# KiCad board Boston-keyboard-S.kicad_pcb (continued)
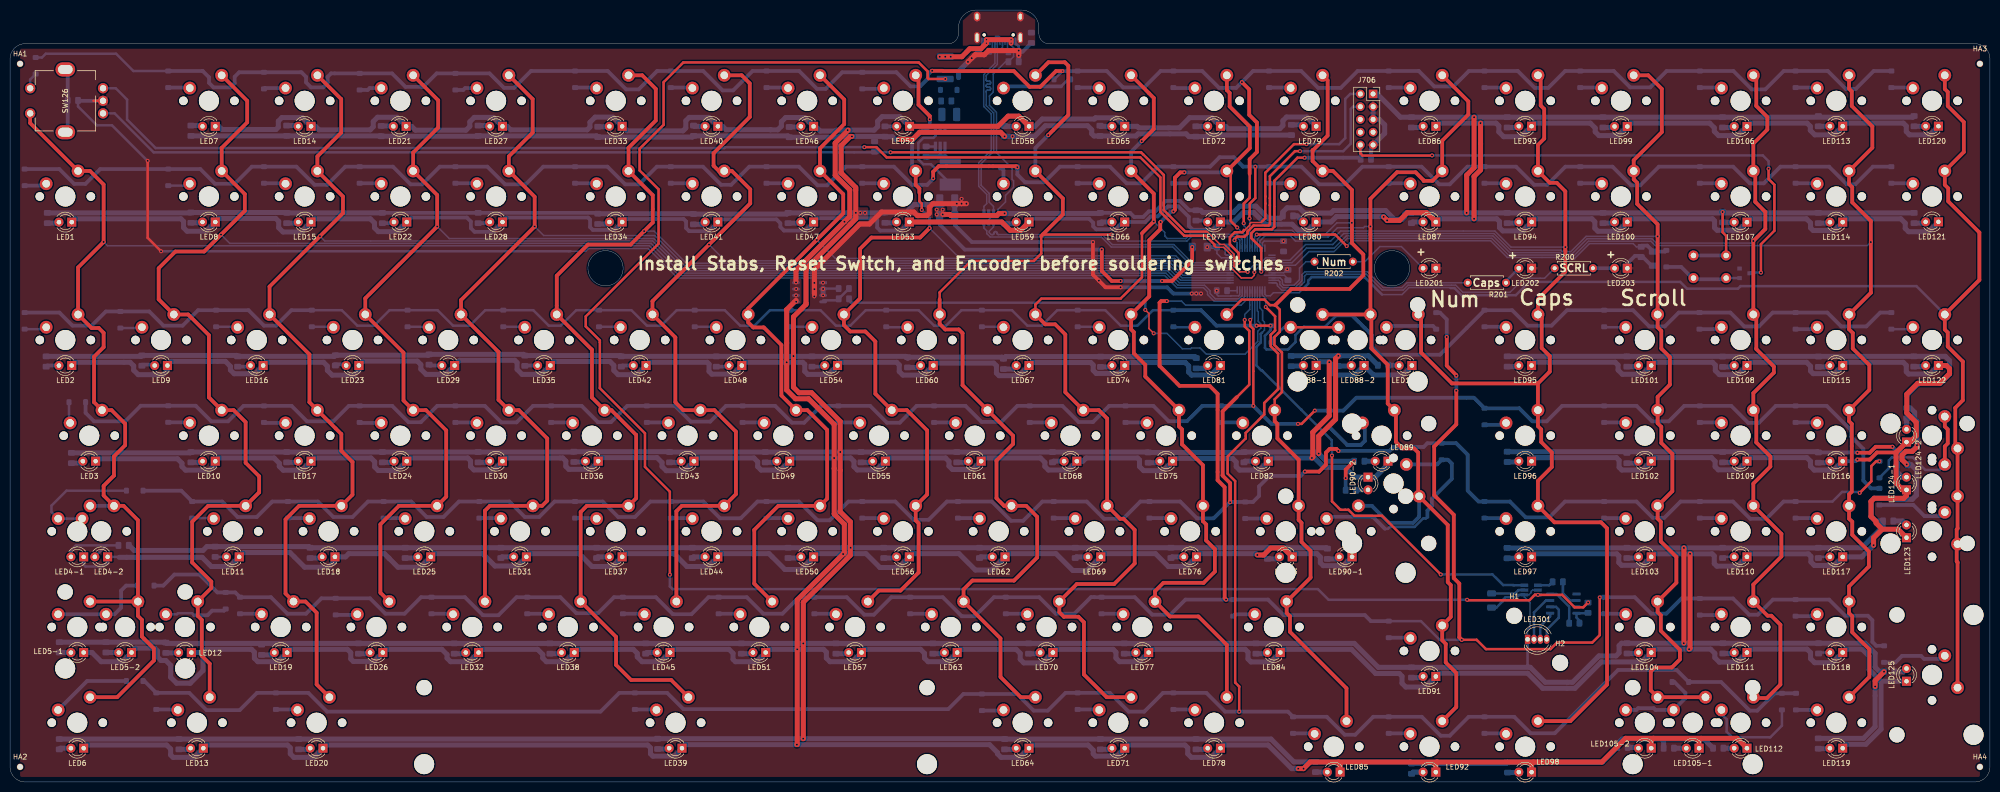
[diagram p0: board, top side]
## Routing (per net, layer and track width the routed paths; a pad name or vN(x,y) marks a point on that pad's centre or on a via; arc(x,y) is an arc through that point) (continued)
SCRL_INDICATOR: length 4.9
  Bottom w0.5: 318.88,102.7 LED203.2
  Bottom w0.75: R200.1 319.28,102.3 LED203.2
SWCLK: length 48.7
  Top w0.5: v1(256.7,125.6) 255.7,125.6 250.7,120.6 250.7,111.05 250.45,110.8 247.45,110.8 246.26,109.61 246.26,109.16 245.68,108.58 244.15,108.58 243.66,108.09 v1(243.66,107.86)
  Bottom w0.3: v1(243.66,107.86) 244.21,107.31 U701.37 244.21,107.09
  Bottom w0.5: v1(256.7,125.6) 265.3,125.6 266.8,127.1 266.8,134 267.26,134.46 J706.4
SWDIO: length 55.7
  Top w0.3: 245.52,109.98 245.52,109.92 245.74,109.92 246.68,110.86 246.68,111.14 246.93,111.39 248.94,111.39 249.15,111.6
  Top w0.5: 245.52,109.92 245.52,109.77 245.2,109.45 243.73,109.45 242.75,108.47 242.75,107.05 244.5,105.3 244.5,103.45 v1(244.46,103.41) ; v1(258,127) 255.5,127 249.8,121.3 249.8,112.25 249.15,111.6
  Bottom w0.3: U701.34 244.19,103.88 244.46,103.61 v1(244.46,103.41)
  Bottom w0.5: J706.2 266.7,137 265.7,136 265.7,128.2 264.5,127 v1(258,127)
Net-(C703-Pad1): length 1.9
  Bottom w0.5: C703.1 184.12,126.53 U702.6
Net-(C703-Pad2): length 7.4
  Bottom w0.5: 184.78,124.47 185.1,124.8 U702.5
  Bottom w1: C703.2 186.07,124.47 L701.1
Net-(C712-Pad1): length 4.6
  Bottom w0.5: C712.1 312.31,32.13 311.73,32.73 U1.8 313.94,33.59 R711.2
Net-(D1-Pad2): length 4.4
  Bottom w0.75: D1.2 6.81,118.73 SW1.2
Net-(D2-Pad2): length 4.4
  Bottom w0.5: D2.2 6.81,90.16 SW2.2
Net-(D3-Pad2): length 4.5
  Bottom w0.5: 11.95,75.4 D3.2 11.73,71.71 SW3.2
Net-(D4-Pad2): length 24
  Bottom w0.5: SW4-2.2 SW4-1.2 8.24,53.77 8.24,55.01 11.23,58 D4.2
Net-(D5-Pad2): length 20.1
  Bottom w0.75: D5.2 23.1,39.1 22.1,38.1 22.1,34.7 20.79,33.39 SW5-2.2 19.09,33.4 9.58,33.4 SW5-1.2
Net-(D6-Pad2): length 16
  Bottom w0.75: D6.2 15.33,20.1 SW6.2
Net-(D7-Pad2): length 4.3
  Bottom w0.75: SW7.2 35.67,138.26 D7.2
Net-(D8-Pad2): length 4.4
  Bottom w0.5: D8.2 35.39,118.73 SW8.2
Net-(D9-Pad2): length 4.4
  Bottom w0.5: SW9.2 26.08,90.38 D9.2
Net-(D10-Pad2): length 4.3
  Bottom w0.5: 35.64,71.61 SW10.2
  Bottom w0.75: D10.2 35.64,71.61
Net-(D11-Pad2): length 4.3
  Bottom w0.5: D11.2 40.43,52.54 SW11.2
Net-(D12-Pad2): length 12.7
  Bottom w0.5: SW12.2 33.19,33.39 33.4,33.6 36.2,33.6 36.6,33.2
  Bottom w0.75: D12.2 42.57,34.1 40.2,34.1 39.3,33.2 36.6,33.2
Net-(D13-Pad2): length 4.3
  Bottom w0.75: D13.2 33.29,14.44 SW13.2
Net-(D14-Pad2): length 4.4
  Bottom w0.75: SW14.2 50.69,138.16 D14.2
Net-(D15-Pad2): length 4.3
  Bottom w0.75: D15.2 54.72,119.21 SW15.2
Net-(D16-Pad2): length 4.3
  Bottom w0.5: SW16.2 45.19,90.64 D16.2
Net-(D17-Pad2): length 4.3
  Bottom w0.5: 50.62,71.49 D17.2
  Bottom w0.75: SW17.2 50.62,71.49
Net-(D18-Pad2): length 4.3
  Bottom w0.75: D18.2 59.48,52.54 SW18.2
Net-(D19-Pad2): length 4.3
  Bottom w0.75: SW19.2 49.96,33.49 D19.2
Net-(D20-Pad2): length 4.3
  Bottom w0.75: SW20.2 57.1,14.44 D20.2
Net-(D21-Pad2): length 4.4
  Bottom w0.75: SW21.2 71.56,138.16 71.19,137.78 69.58,137.78
Net-(D22-Pad2): length 4.3
  Bottom w0.75: SW22.2 73.77,119.21 D22.2
Net-(D23-Pad2): length 4.3
  Bottom w0.5: SW23.2 64.24,90.64 D23.2
Net-(D24-Pad2): length 4.3
  Bottom w0.5: 69.67,71.49 D24.2
  Bottom w0.75: SW24.2 69.67,71.49
Net-(D25-Pad2): length 4.3
  Bottom w0.75: D25.2 78.53,52.54 SW25.2
Net-(D26-Pad2): length 4.3
  Bottom w0.75: SW26.2 68.98,33.27 D26.2
Net-(D27-Pad2): length 4.4
  Bottom w0.75: 92.92,138.16 90.56,138.16 90.19,137.78 88.63,137.78
Net-(D28-Pad2): length 4.3
  Bottom w0.75: 92.92,119.11 92.82,119.21 D28.2
Net-(D29-Pad2): length 4.3
  Bottom w0.5: D29.2 83.29,90.64 SW29.2
Net-(D30-Pad2): length 4.3
  Bottom w0.75: D30.2 92.82,71.59 92.92,71.49
Net-(D31-Pad2): length 4.3
  Bottom w0.75: SW31.2 97.58,52.54 D31.2
Net-(D32-Pad2): length 4.3
  Bottom w0.75: D32.2 88.06,33.49 SW32.2
Net-(D33-Pad2): length 4.3
  Bottom w0.75: D33.2 116.63,138.26 SW33.2
Net-(D34-Pad2): length 4.3
  Bottom w0.75: SW34.2 116.63,119.21 D34.2
Net-(D35-Pad2): length 4.3
  Bottom w0.5: SW35.2 102.34,90.64 D35.2
Net-(D36-Pad2): length 4.3
  Bottom w0.75: D36.2 111.87,71.59 SW36.2
Net-(D37-Pad2): length 4.3
  Bottom w0.75: D37.2 116.63,52.54 SW37.2
Net-(D38-Pad2): length 4.3
  Bottom w0.75: SW38.2 107.11,33.49 D38.2
Net-(D39-Pad2): length 4.3
  Bottom w0.75: D39.2 128.54,14.44 SW39.2
Net-(D40-Pad2): length 4.3
  Bottom w0.75: SW40.2 135.68,138.26 D40.2
Net-(D41-Pad2): length 4.3
  Bottom w0.75: SW41.2 135.68,119.21 D41.2
Net-(D42-Pad2): length 4.3
  Bottom w0.5: SW42.2 121.39,90.64 D42.2
Net-(D43-Pad2): length 4.3
  Bottom w0.75: SW43.2 130.92,71.59 D43.2
Net-(D44-Pad2): length 4.3
  Bottom w0.75: D44.2 135.68,52.54 SW44.2
Net-(D45-Pad2): length 4.3
  Bottom w0.75: D45.2 126.16,33.49 SW45.2
Net-(D46-Pad2): length 4.3
  Bottom w0.75: D46.2 154.73,138.26 SW46.2
Net-(D47-Pad2): length 4.3
  Bottom w0.75: D47.2 154.73,119.21 SW47.2
Net-(D48-Pad2): length 4.3
  Bottom w0.5: SW48.2 140.44,90.64 D48.2
Net-(D49-Pad2): length 4.3
  Bottom w0.75: SW49.2 149.97,71.59 D49.2
Net-(D50-Pad2): length 4.3
  Bottom w0.75: D50.2 154.73,52.54 SW50.2
Net-(D51-Pad2): length 4.3
  Bottom w0.75: SW51.2 145.21,33.49 D51.2
Net-(D52-Pad2): length 4.4
  Bottom w0.75: D52.2 173.72,138.01 SW52.2
Net-(D53-Pad2): length 4.3
  Bottom w0.75: SW53.2 173.78,119.21 D53.2
Net-(D54-Pad2): length 4.3
  Bottom w0.5: D54.2 159.49,90.64 SW54.2
Net-(D55-Pad2): length 4.3
  Bottom w0.75: SW55.2 169.02,71.59 D55.2
Net-(D56-Pad2): length 4.3
  Bottom w0.75: D56.2 173.78,52.54 SW56.2
Net-(D57-Pad2): length 4.3
  Bottom w0.75: SW57.2 164.26,33.49 D57.2
Net-(D58-Pad2): length 14.1
  Bottom w0.5: 209.15,138.5 210.55,139.9 D58.2
  Bottom w0.75: SW58.2 198.03,138.5 209.15,138.5
Net-(D59-Pad2): length 3.8
  Bottom w0.75: SW59.2 197.69,121.86 D59.2 ; SW59.2 197.58,119.22 ; SW59.2 197.59,119.21
Net-(D60-Pad2): length 4.3
  Bottom w0.5: D60.2 174.45,90.54 SW60.2
Net-(D61-Pad2): length 4.3
  Bottom w0.75: D61.2 188.07,71.59 SW61.2
Net-(D62-Pad2): length 4.3
  Bottom w0.75: SW62.2 192.83,52.54 D62.2
Net-(D63-Pad2): length 4.3
  Bottom w0.75: D63.2 183.31,33.49 SW63.2
Net-(D64-Pad2): length 4.3
  Bottom w0.75: SW64.2 197.56,14.22 193.4,14.22
Net-(D65-Pad2): length 4.3
  Bottom w0.75: D65.2 216.64,138.26 SW65.2
Net-(D66-Pad2): length 4.3
  Bottom w0.75: D66.2 216.64,119.21 SW66.2
Net-(D67-Pad2): length 4.3
  Bottom w0.5: D67.2 197.59,90.64 SW67.2
Net-(D68-Pad2): length 4.3
  Bottom w0.75: D68.2 207.12,71.59 SW68.2
Net-(D69-Pad2): length 4.3
  Bottom w0.75: D69.2 211.88,52.54 SW69.2
Net-(D70-Pad2): length 4.3
  Bottom w0.75: SW70.2 202.36,33.49 D70.2
Net-(D71-Pad2): length 4.3
  Bottom w0.75: SW71.2 216.64,14.44 D71.2
Net-(D72-Pad2): length 4.3
  Bottom w0.75: D72.2 231.6,138.16 SW72.2
Net-(D73-Pad2): length 4.3
  Bottom w0.75: SW73.2 235.69,119.21 D73.2
Net-(D74-Pad2): length 4.3
  Bottom w0.5: D74.2 216.64,90.64 SW74.2
Net-(D75-Pad2): length 4.3
  Bottom w0.75: D75.2 226.17,71.59 SW75.2
Net-(D76-Pad2): length 4.3
  Bottom w0.75: D76.2 230.93,52.54 SW76.2
Net-(D77-Pad2): length 4.3
  Bottom w0.75: SW77.2 221.41,33.49 D77.2
Net-(D78-Pad2): length 4.3
  Bottom w0.75: SW78.2 235.69,14.44 D78.2
Net-(D79-Pad2): length 4.3
  Bottom w0.75: SW79.2 254.74,138.26 D79.2
Net-(D80-Pad2): length 4.3
  Bottom w0.75: SW80.2 254.74,119.21 D80.2
Net-(D81-Pad2): length 4.3
  Bottom w0.5: D81.2 231.6,90.54 SW81.2
Net-(D82-Pad2): length 4.3
  Bottom w0.75: D82.2 245.22,71.59 SW82.2
Net-(D83-Pad2): length 4.3
  Bottom w0.75: SW83.2 250.07,52.45 D83.2
Net-(D84-Pad2): length 4.4
  Bottom w0.75: SW84.2 243.79,33.39 D84.2
Net-(D85-Pad2): length 4.3
  Bottom w0.75: D85.2 259.51,9.67 SW85.2
Net-(D86-Pad2): length 4.3
  Bottom w0.75: SW86.2 278.56,138.26 D86.2
Net-(D87-Pad2): length 4.3
  Bottom w0.75: D87.2 278.56,119.21 SW87.2
Net-(D88-Pad2): length 14.9
  Top w0.5: SW88-1.2 SW88-2.2
  Bottom w0.5: D88.2 251.02,88.06 253.5,90.54 SW88-1.2
Net-(D89-Pad2): length 12.5
  Bottom w0.75: 269.61,71.49 269.61,67.91 268.8,67.1 266.1,67.1 262.57,70.63 D89.2
Net-(D90-Pad2): length 44.6
  Bottom w0.5: 273.6,50.4 274.2,50.4 274.59,50.79 279.53,50.79 281.2,52.46 281.76,52.46 282.06,52.76
  Bottom w0.75: 273.6,50.4 271.2,52.8 262.34,52.8 SW90-1.2 ; SW90-2.2 283.99,63.23 D90.2 286.15,64.15 286.9,63.4 286.9,60.34 282.94,56.38 282.94,54.93 282.06,54.05 282.06,52.76
Net-(D91-Pad2): length 4.3
  Bottom w0.75: D91.2 278.56,28.72 SW91.2
Net-(D92-Pad2): length 4.3
  Bottom w0.75: SW92.2 278.56,9.67 D92.2
Net-(D93-Pad2): length 4.3
  Bottom w0.75: D93.2 297.61,138.26 SW93.2
Net-(D94-Pad2): length 4.3
  Bottom w0.75: D94.2 297.61,119.21 SW94.2
Net-(D95-Pad2): length 4.3
  Bottom w0.75: D95.2 297.61,90.64 SW95.2
Net-(D96-Pad2): length 4.4
  Bottom w0.75: D96.2 297.32,71.11 SW96.2
Net-(D97-Pad2): length 4.3
  Bottom w0.75: D97.2 297.61,52.54 SW97.2
Net-(D98-Pad2): length 4.3
  Bottom w0.75: SW98.2 297.61,9.67 D98.2
Net-(D99-Pad2): length 4.3
  Bottom w0.75: SW99.2 316.66,138.26 D99.2
Net-(D100-Pad2): length 4.3
  Bottom w0.75: SW100.2 316.66,119.21 D100.2
Net-(D101-Pad2): length 4.3
  Bottom w0.5: D101.2 317.32,90.54 SW101.2
Net-(D102-Pad2): length 4.3
  Bottom w0.75: D102.2 321.42,71.59 SW102.2
Net-(D103-Pad2): length 4.3
  Bottom w0.75: D103.2 321.42,52.54 SW103.2
Net-(D104-Pad2): length 4.3
  Bottom w0.75: SW104.2 321.42,33.49 D104.2
Net-(D105-Pad2): length 18.1
  Bottom w0.75: 330.75,14.63 SW105-1.2 ; SW105-1.2 327.46,14.34 327.1,14.7 324,14.7 323.65,14.35 321.52,14.35 SW105-2.2 ; SW105-1.2 333.4,16.7 333.4,17.7 331.2,19.9 D105.2
Net-(D106-Pad2): length 4.3
  Bottom w0.75: D106.2 340.47,138.26 SW106.2
Net-(D107-Pad2): length 4.3
  Bottom w0.75: SW107.2 340.47,119.21 D107.2
Net-(D108-Pad2): length 4.5
  Bottom w0.75: D108.2 340.19,90.16 SW108.2
Net-(D109-Pad2): length 4.3
  Bottom w0.75: D109.2 340.47,71.59 SW109.2
Net-(D110-Pad2): length 4.3
  Bottom w0.75: D110.2 340.47,52.54 SW110.2
Net-(D111-Pad2): length 4.4
  Bottom w0.75: D111.2 340.41,33.23 SW111.2
Net-(D112-Pad2): length 20.3
  Bottom w0.3: SW112.2 340.56,13.53
  Bottom w0.5: D112.2 352.6,11.2 350.3,8.9 342.7,8.9 341.6,10 341.6,12.5 340.56,13.53
Net-(D113-Pad2): length 4.3
  Bottom w0.75: SW113.2 359.52,138.26 D113.2
Net-(D114-Pad2): length 4.3
  Bottom w0.75: D114.2 359.52,119.21 SW114.2
Net-(D115-Pad2): length 4.4
  Bottom w0.75: SW115.2 359.24,90.16 D115.2
Net-(D116-Pad2): length 4.3
  Bottom w0.75: D116.2 359.52,71.59 SW116.2
Net-(D117-Pad2): length 4.3
  Bottom w0.75: D117.2 359.52,52.54 SW117.2
Net-(D118-Pad2): length 4.4
  Bottom w0.75: D118.2 359.24,33.01 SW118.2
Net-(D119-Pad2): length 4.2
  Bottom w0.75: D119.2 359.61,14.35 SW119.2
Net-(D120-Pad2): length 4.3
  Bottom w0.75: SW120.2 378.57,138.26 D120.2
Net-(D121-Pad2): length 4.3
  Bottom w0.75: D121.2 378.57,119.21 SW121.2
Net-(D122-Pad2): length 4.4
  Bottom w0.5: D122.2 378.29,90.16 SW122.2
Net-(D123-Pad2): length 14.3
  Bottom w0.75: D123.2 378.75,55.15 380.96,52.94 384.24,52.94 SW123.2
Net-(D124-Pad2): length 27.1
  Top w0.75: SW124-2.2 385.01,70.78 385.6,70.2 385.6,67.4 385.01,66.81 SW124-1.2
  Bottom w0.5: D124.2 372,60.57 373.88,62.45 373.88,64.01 374.5,64.63 378.63,64.63 381.13,62.13 383.91,62.13 SW124-1.2
Net-(D125-Pad2): length 13.1
  Bottom w0.75: D125.2 375.21,23.81 376.5,25.1 380.3,25.1 380.9,24.5 384.38,24.5 SW125.2
Net-(D126-Pad2): length 3.3
  Bottom w0.5: SW126.S2 4,139.85 D126.2
Net-(D127-Pad2): length 10.3
  Bottom w0.75: D127.2 283.15,90.8 274.15,90.8 SW127.2
Net-(D703-Pad2): length 15.6
  Bottom w0.5: SW200.2 344.17,100.33 344.18,100.33
  Bottom w0.75: 341.5,100.1 335,100.1 332.55,102.55 D703.2
Net-(J705-PadA5): length 2.7
  Bottom w0.3: J705.A5 195.49,146.14 R704.2
Net-(J705-PadB5): length 2.7
  Bottom w0.3: J705.B5 198.49,145.61 198.28,145.4
Net-(L1-Pad1): length 12.9
  Bottom w0.75: SW126.S 11.47,141.4 L1.1 11.47,129.85 SW126.S
Net-(LED1-Pad2): length 2.4
  Bottom w1: LED1.2 9.52,111.26 R1.2
Net-(LED2-Pad2): length 2.6
  Bottom w0.75: R2.2 7.42,82.92 LED2.2
Net-(LED3-Pad2): length 2.4
  Bottom w1: LED3.2 14.1,63.48 R3.2
Net-(LED4-1-Pad2): length 14.4
  Bottom w0.5: 19.15,47.1 13.1,47.1 12.11,46.11 LED4-1.2 ; 19.15,47.1 R4.2 ; 19.15,47.1 LED4-2.2
Net-(LED5-1-Pad2): length 2.3
  Bottom w1: LED5-1.2 12.1,25.78 R5-1.2
Net-(LED5-2-Pad2): length 2.5
  Bottom w1: LED5-2.2 21.63,25.78 R5-2.2
Net-(LED6-Pad2): length 2.4
  Bottom w1: LED6.2 10.04,6.72 R6.2
Net-(LED7-Pad2): length 2.4
  Bottom w1: R7.2 38.15,130.7 LED7.2
Net-(LED8-Pad2): length 2.4
  Bottom w1: LED8.2 38.15,111.34 R8.2
Net-(LED9-Pad2): length 2.6
  Bottom w0.75: 26.24,83.09 28.61,83.09 LED9.2
Net-(LED10-Pad2): length 2.4
  Bottom w1: LED10.2 38.07,63.64 R10.2
Net-(LED11-Pad2): length 2.3
  Bottom w0.5: R11.2 40.83,44.82 LED11.2
Net-(LED12-Pad2): length 2.6
  Bottom w1: LED12.2 33.47,25.7 R12.2
Net-(LED13-Pad2): length 2.4
  Bottom w1: R13.2 35.69,6.49 LED13.2
Net-(LED14-Pad2): length 2.4
  Bottom w1: LED14.2 57.2,130.7 R14.2
Net-(LED15-Pad2): length 2.4
  Bottom w1: R15.2 57.12,111.26 LED15.2
Net-(LED16-Pad2): length 2.6
  Bottom w0.75: LED16.2 47.6,82.69 R16.2
Net-(LED17-Pad2): length 2.4
  Bottom w1: R17.2 57.12,63.64 LED17.2
Net-(LED18-Pad2): length 2.5
  Bottom w1: LED18.2 61.89,44.59 R18.2
Net-(LED19-Pad2): length 2.7
  Bottom w1: LED19.2 52.12,25.3 R19.2
Net-(LED20-Pad2): length 2.4
  Bottom w1: R20.2 59.51,6.49 LED20.2
Net-(LED21-Pad2): length 2.4
  Bottom w1: LED21.2 76.2,130.62 R21.2
Net-(LED22-Pad2): length 2.4
  Bottom w0.75: R22.2 76.17,111.26 LED22.2
Net-(LED23-Pad2): length 2.5
  Bottom w0.75: LED23.2 66.63,83.17 64.5,83.17
Net-(LED24-Pad2): length 2.4
  Bottom w1: LED24.2 76.17,63.64 R24.2
Net-(LED25-Pad2): length 2.6
  Bottom w1: R25.2 80.94,44.59 LED25.2
Net-(LED26-Pad2): length 2.4
  Bottom w1: LED26.2 71.41,25.54 R26.2
Net-(LED27-Pad2): length 2.4
  Bottom w1: R27.2 95.3,130.7 LED27.2
Net-(LED28-Pad2): length 2.4
  Bottom w0.75: R28.2 95.22,111.26 LED28.2
Net-(LED29-Pad2): length 2.6
  Bottom w0.75: LED29.2 83.56,82.92 R29.2
Net-(LED30-Pad2): length 2.4
  Bottom w1: R30.2 95.22,63.64 LED30.2
Net-(LED31-Pad2): length 2.6
  Bottom w1: LED31.2 97.91,44.82 R31.2
Net-(LED32-Pad2): length 2.4
  Bottom w1: LED32.2 90.46,25.54 R32.2
Net-(LED33-Pad2): length 2.3
  Bottom w1: LED33.2 119.18,130.46 R33.2
Net-(LED34-Pad2): length 2.5
  Bottom w1: LED34.2 118.87,111.1 R34.2
Net-(LED35-Pad2): length 2.6
  Bottom w0.75: R35.2 102.51,82.92 LED35.2
Net-(LED36-Pad2): length 2.4
  Bottom w1: LED36.2 114.35,63.71 R36.2
Net-(LED37-Pad2): length 2.6
  Bottom w1: R37.2 116.96,44.82 LED37.2
Net-(LED38-Pad2): length 2.4
  Bottom w1: R38.2 109.51,25.54 LED38.2
Net-(LED39-Pad2): length 2.4
  Bottom w1: LED39.2 131.01,6.56 R39.2
Net-(LED40-Pad2): length 2.4
  Bottom w1: R40.2 136.17,130.55 LED40.2
Net-(LED41-Pad2): length 2.5
  Bottom w1: LED41.2 137.85,111.03 R41.2
Net-(LED42-Pad2): length 2.5
  Bottom w0.75: LED42.2 121.88,82.92 R42.2
Net-(LED43-Pad2): length 2.4
  Bottom w1: 133.56,63.87 133.32,63.64 R43.2
Net-(LED44-Pad2): length 2.6
  Bottom w1: R44.2 136.01,44.82 LED44.2
Net-(LED45-Pad2): length 2.4
  Bottom w1: LED45.2 126.72,25.77 R45.2
Net-(LED46-Pad2): length 2.4
  Bottom w1: LED46.2 157.24,130.42 R46.2
Net-(LED47-Pad2): length 2.6
  Bottom w1: R47.2 157.14,111.26 LED47.2
Net-(LED48-Pad2): length 2.6
  Bottom w0.75: R48.2 142.85,82.69 LED48.2
Net-(LED49-Pad2): length 2.4
  Bottom w1: 152.6,63.87 152.37,63.64 R49.2
Net-(LED50-Pad2): length 2.6
  Bottom w1: LED50.2 157.14,44.59 R50.2
Net-(LED51-Pad2): length 2.4
  Bottom w1: R51.2 147.61,25.54 LED51.2
Net-(LED52-Pad2): length 2.3
  Bottom w0.75: R52.2 176.45,130.53 LED52.2
Net-(LED53-Pad2): length 2.4
  Bottom w1: R53.2 176.26,111.34 LED53.2
Net-(LED54-Pad2): length 2.6
  Bottom w0.75: R54.2 161.9,82.69 LED54.2
Net-(LED55-Pad2): length 2.4
  Bottom w1: R55.2 171.42,63.64 LED55.2
Net-(LED56-Pad2): length 2.6
  Bottom w1: R56.2 176.19,44.59 LED56.2
Net-(LED57-Pad2): length 2.6
  Bottom w1: R57.2 166.66,25.54 LED57.2
Net-(LED58-Pad2): length 2.3
  Bottom w1: R58.2 197.98,130.55 LED58.2
Net-(LED59-Pad2): length 2.5
  Bottom w1: R59.2 199.89,111.16 LED59.2
Net-(LED60-Pad2): length 2.7
  Bottom w1: R60.2 180.79,82.53 LED60.2
Net-(LED61-Pad2): length 2.4
  Bottom w1: R61.2 190.47,63.64 LED61.2
Net-(LED62-Pad2): length 2.6
  Bottom w1: LED62.2 193.16,44.82 R62.2
Net-(LED63-Pad2): length 2.4
  Bottom w1: R63.2 185.71,25.54 LED63.2
Net-(LED64-Pad2): length 2.4
  Bottom w1: R64.2 200,6.49 LED64.2
Net-(LED65-Pad2): length 2.4
  Bottom w1: R65.2 217.03,130.55 LED65.2
Net-(LED66-Pad2): length 2.4
  Bottom w1: R66.2 217.21,111.5 LED66.2
Net-(LED67-Pad2): length 2.8
  Bottom w1: R67.2 199.52,82.21 LED67.2
Net-(LED68-Pad2): length 2.4
  Bottom w1: R68.2 207.68,63.87 LED68.2
Net-(LED69-Pad2): length 2.6
  Bottom w1: LED69.2 212.21,44.82 R69.2
Net-(LED70-Pad2): length 2.4
  Bottom w1: R70.2 204.76,25.54 LED70.2
Net-(LED71-Pad2): length 2.4
  Bottom w1: R71.2 219.05,6.49 LED71.2
Net-(LED72-Pad2): length 2.4
  Bottom w1: LED72.2 238.32,130.55 R72.2
Net-(LED73-Pad2): length 2.4
  Bottom w0.75: LED73.2 238.05,111.78 R73.2
Net-(LED74-Pad2): length 2.4
  Bottom w1: R74.2 219,82.64 LED74.2
Net-(LED75-Pad2): length 2.4
  Bottom w1: LED75.2 228.5,63.57 R75.2
Net-(LED76-Pad2): length 2.6
  Bottom w1: R76.2 231.26,44.82 LED76.2
Net-(LED77-Pad2): length 2.4
  Bottom w1: LED77.2 223.81,25.54 R77.2
Net-(LED78-Pad2): length 2.4
  Bottom w1: R78.2 238.1,6.49 LED78.2
Net-(LED79-Pad2): length 2.5
  Bottom w1: LED79.2 257.07,130.85 R79.2
Net-(LED80-Pad2): length 2.7
  Bottom w0.75: 257.25,111.38 LED80.2
  Bottom w1: 255.32,112.72 256.15,112.72 LED80.2
Net-(LED81-Pad2): length 2.5
  Bottom w1: LED81.2 237.76,82.36 R81.2
Net-(LED82-Pad2): length 2.4
  Bottom w1: R82.2 245.78,63.87 LED82.2
Net-(LED83-Pad2): length 2.5
  Bottom w1: 250.24,44.42 252.22,44.42 LED83.2
Net-(LED84-Pad2): length 2.4
  Bottom w1: LED84.2 250,25.54 R84.2
Net-(LED85-Pad2): length 2.4
  Bottom w1: LED85.2 262.14,1.96 R85.2
Net-(LED86-Pad2): length 2.4
  Bottom w1: LED86.2 280.97,130.31 R86.2
Net-(LED87-Pad2): length 2.4
  Bottom w1: LED87.2 279.13,111.5 R87.2
Net-(LED88-1-Pad2): length 2.3
  Bottom w1: LED88-1.2 257.24,82.8 255.15,82.8
Net-(LED88-2-Pad2): length 2.6
  Bottom w1: LED88-2.2 266.78,82.8 R88-2.2
Net-(LED89-Pad2): length 2.2
  Bottom w1: R89.2 LED89.2
Net-(LED90-1-Pad2): length 2.6
  Bottom w1: LED90-1.2 264.11,44.41 R90-1.2
Net-(LED90-2-Pad2): length 2.4
  Bottom w0.75: R90-2.2 270.16,58.08 LED90-2.2
Net-(LED91-Pad2): length 2.4
  Bottom w1: 278.9,20.78 280.96,20.78 LED91.2
Net-(LED92-Pad2): length 2.4
  Bottom w1: LED92.2 279.23,1.96 R92.2
Net-(LED93-Pad2): length 2.4
  Bottom w1: LED93.2 299.99,130.31 R93.2
Net-(LED94-Pad2): length 2.4
  Bottom w1: R94.2 300.02,111.26 LED94.2
Net-(LED95-Pad2): length 2.4
  Bottom w1: R95.2 300.02,82.7 LED95.2
Net-(LED96-Pad2): length 2.4
  Bottom w1: LED96.2 300.08,63.71 R96.2
Net-(LED97-Pad2): length 2.4
  Bottom w1: R97.2 299.97,44.55 LED97.2
Net-(LED98-Pad2): length 2.3
  Bottom w1: LED98.2 300.16,1.88 R98.2
Net-(LED99-Pad2): length 2.4
  Bottom w1: R99.2 319.09,130.31 LED99.2
Net-(LED100-Pad2): length 2.4
  Bottom w1: R100.2 319.06,111.26 LED100.2
Net-(LED101-Pad2): length 2.4
  Bottom w1: LED101.2 323.82,82.69 R101.2
Net-(LED102-Pad2): length 2.5
  Bottom w1: LED102.2 323.66,63.47 R102.2
Net-(LED103-Pad2): length 2.4
  Bottom w1: R103.2 323.82,44.59 LED103.2
Net-(LED104-Pad2): length 2.3
  Bottom w1: R104.2 323.86,25.58 LED104.2
Net-(LED105-1-Pad2): length 2.5
  Bottom w1: LED105-1.2 R105-1.2
Net-(LED105-2-Pad2): length 2.2
  Bottom w1: LED105-2.2 323.9,6.88 R105-2.2
Net-(LED106-Pad2): length 2.4
  Bottom w1: R106.2 342.9,130.31 LED106.2
Net-(LED107-Pad2): length 2.3
  Bottom w1: R107.2 343.06,111.43 LED107.2
Net-(LED108-Pad2): length 2.4
  Bottom w1: LED108.2 342.83,82.65 R108.2
Net-(LED109-Pad2): length 2.4
  Bottom w1: LED109.2 342.87,63.64 R109.2
Net-(LED110-Pad2): length 2.2
  Bottom w0.5: 340.95,44.82 LED110.2
Net-(LED111-Pad2): length 2.3
  Bottom w1: R111.2 342.91,25.58 LED111.2
Net-(LED112-Pad2): length 2.2
  Bottom w1: R112.2 LED112.2
Net-(LED113-Pad2): length 2.3
  Bottom w1: R113.2 362.14,130.55 LED113.2
Net-(LED114-Pad2): length 2.4
  Bottom w1: R114.2 361.95,111.26 LED114.2
Net-(LED115-Pad2): length 2.4
  Bottom w1: LED115.2 361.88,82.65 R115.2
Net-(LED116-Pad2): length 2.4
  Bottom w1: LED116.2 361.85,63.57 R116.2
Net-(LED117-Pad2): length 2.1
  Bottom w0.5: LED117.2 360,44.82
Net-(LED118-Pad2): length 2.3
  Bottom w0.5: 359.85,25.77 LED118.2
Net-(LED119-Pad2): length 2.3
  Bottom w1: R119.2 362.06,6.62 LED119.2
Net-(LED120-Pad2): length 2.3
  Bottom w1: LED120.2 381.19,130.55 R120.2
Net-(LED121-Pad2): length 2.4
  Bottom w1: LED121.2 380.95,111.26 R121.2
Net-(LED122-Pad2): length 2.4
  Bottom w1: R122.2 380.99,82.7 LED122.2
Net-(LED123-Pad2): length 3
  Bottom w1: LED123.2 376.6,51.96 R123.2
Net-(LED124-1-Pad2): length 3.7
  Bottom w1: R124-1.2 375.55,61.72 376.56,60.7 LED124-1.2
Net-(LED124-2-Pad2): length 2.2
  Bottom w1: LED124-2.2 377.39,72.36 R124-2.2
Net-(LED125-Pad2): length 2.7
  Bottom w1: LED125.2 376.75,21.95 374.98,21.95
Net-(LED127-Pad2): length 2.2
  Bottom w1: R127.2 276.38,82.97 LED127.2
Net-(LED301-Pad2): length 9.6
  Bottom w0.5: 303.26,28.4 303.26,33.74 305.65,36.13 U1.3
Net-(LED301-Pad3): length 6
  Bottom w0.5: LED301.3 304.53,31.03 306.48,32.98 U1.1
Net-(LED301-Pad4): length 8.9
  Bottom w0.5: U1.2 307.63,34.87 308.2,34.3 308.2,32.7 305.8,30.3 LED301.4
Net-(Q702-Pad4): length 6.1
  Bottom w0.5: 161.8,95.89 164.6,95.89 R706.2 164.91,96.2 R707.2
Net-(R200-Pad2): length 63.3
  Bottom w0.3: U701.12 251.92,99.38 252.2,99.1 252.2,98.8 253.1,97.9 255.88,97.9 257.58,99.6 257.58,100.68 258,101.1 269.9,101.1 273.05,97.95 277.23,97.95 278.2,98.92 287.68,98.92 289.1,97.5 298.5,97.5 301.3,100.3 305.38,100.3 R200.2
Net-(R201-Pad2): length 43.6
  Bottom w0.3: U701.11 252.42,99.88 252.7,99.6 252.7,99.02 253.3,98.42 255.72,98.42 257.1,99.8 257.1,101 257.7,101.6 270.1,101.6 273.27,98.43 277,98.43 277.97,99.4 R201.2
Net-(R202-Pad2): length 12.8
  Bottom w0.3: U701.10 252.72,100.38 253.2,99.9 253.2,99.2 253.5,98.9 255.5,98.9 256.6,100 256.6,102.3 257.9,103.6 R202.2
Net-(R710-Pad1): length 5.6
  Bottom w0.5: U1.6 310.46,36.13 309.01,37.59 R710.1
Net-(R710-Pad2): length 3.2
  Bottom w0.5: 306.96,39.84 306.29,39.16 U705.4

## Copper pours and planes (outline as drawn; the poured copper is in the pictures)
+3V3 on Top: 186.2,112.4 184,112.4 183.97,114.43 186.17,114.43
+3V3 on Top: 170.78,112.05 167.92,112.05 167.92,114.43 170.78,114.43
+3V3 on Bottom: 257.25,97.75 254,97.75 254,95.75 235.1,95.75 235.1,108.25 257.25,108.25
+3V3 on Bottom: 189.5,117.25 186.25,117.25 186.25,111 184,111 184,120.25 189.5,120.25
+5V on Bottom: 188,139 186.5,139 186.25,138.75 186.25,132 186.75,131.5 186.75,129 184.75,129 184.75,131 184.25,131.5 184.25,141 188,141
GND on Top: 257.25,97.5 254,97.5 254,95.75 235.1,95.75 235.1,108.25 257.25,108.25
GND on Top: 392,1 2,1 2,146 392,146
GND on Top: 191.02,113.96 187.21,113.96 187.21,116.81 191.02,116.81
GND on Top: 162.49,95.82 159.39,95.82 159.39,99.87 162.49,99.87
GND on Bottom: 192.88,111.25 185.62,111.25 185.75,127.5 187.5,128.75 187.5,131.5 186.75,132.5 186.75,138.75 188.25,138.75 188.25,141 193,141
GND on Bottom: 392,1 2,1 2,146 392,146
GND on Bottom: 162.47,94.87 159.37,94.87 159.37,99.87 162.47,99.87
LED_switch on Top: 157.5,95.22 155.2,95.22 155.2,100.22 157.5,100.22
LED_switch on Bottom: 157.63,94.87 155.33,94.87 155.33,99.87 157.63,99.87
Net-(J705-PadS) on Top: 204,151.8 204,146.6 189.6,146.6 189.6,151.6 191.6,153.4 201.4,153.4
Net-(J705-PadS) on Bottom: 204,151.8 204,146.6 189.6,146.6 189.6,151.6 191.6,153.4 201.4,153.4

## Text on the board
B.SilkS: SWCLK | SWDIO | NRST | NC | GND | +3v3 | Stepped | Non-stepped | https://github.com/bluepylons/Boston | Powered by the Acheron Library | Revision 7-29-2020 | P7 | P8 | F11 | P12 | Left | ANSI | BkSpc | ISO | Down | Right | 1u | 2u | 1u+ | 2u+ | PgUp | PgDn | → | Ctrl | Esc | Tilde | Shift | Tab | Caps | ISO  |\ | 1 | Win | P1 | F1 | Q | ~ | A | 2 | Z | P2 | F2 | W | Alt | S | 3 | X | P3 | F3 | E | D | 4 | C | P4 | F4 | R | Boston - V0.4 | F | PCB SN# | 5 | V | T | P5 | F5 | G | 6 | Space | B | Y | P6 | F6 | H | 7 | N | U | F7 | J | 8 | M | I | F8 | K | 9 | < | O | L | F9 | P9 | 0 | > | P | ; | Menu | F10 | P10 | - | ? | ] | ' | # | P11 | = | [ | F12 | Enter | \ | PrtSc | Up | P13 | P14 | P17 | P18 | P16 | Pause | P15 | Num | Del | Ins | / | 00 | Home | End | * | . | + | Scroll
F.SilkS: Num | + | Caps | SCRL | Install Stabs, Reset Switch, and Encoder before soldering switches | Scroll
